# Allegro board 038NC-GRIFFI-V9A_16_20260429.brd (continued)
## Routing (per net, layer and track width the routed paths; a pad name or vN(x,y) marks a point on that pad's centre or on a via; arc(x,y) is an arc through that point) (continued)
VI_634_8-CH58F: length 5.8
  TOP w0.254: v1(153.43,213.78) 149.79,210.14 SITE10.F23
  vias: v1(141.9,146.72)
VI_634_8-CH58S:
  vias: v1(144.44,146.72) v3(149.79,209.12)
VI_635_8-CH59F: length 6.5
  TOP w0.254: v1(154.91,213.78) 150.64,209.51 SITE10.F22
  vias: v1(136.82,146.72)
VI_635_8-CH59S:
  vias: v1(139.36,146.72) v3(150.18,209.12)
VI_636_8-CH60F: length 6.4
  TOP w0.254: SITE10.F21 154.27,208.69 v1(155.35,209.77)
  BOTTOM w0.254: v1(159.64,149.43) UNK10R7.1
  vias: v1(139.36,141.64)
VI_636_8-CH60S:
  vias: v1(136.82,141.64) v3(150.61,208.69)
VI_637_8-CH61F: length 5.9
  TOP w0.254: 146.26,210.48 147.23,209.51 SITE10.F28
  TOP w1.016: 146.26,210.48 v1(144.54,212.21) v1(144.54,213.78)
  vias: v1(154.6,146.72)
VI_637_8-CH61S:
  vias: v1(152.06,146.72) v3(147.79,209.12)
VI_639_8-CH63F: length 4.3
  TOP w0.254: SITE10.F20 v1(155.35,208.29)
  vias: v1(146.98,141.64)
VI_639_8-CH63S:
  vias: v1(149.52,141.64) v3(150.61,208.29)
VI_641_8-CH65F: length 4.6
  TOP w0.254: SITE4.F4 53.25,207.49 v1(52.62,206.86)
  vias: v1(56.98,146.72)
VI_641_8-CH65S:
  vias: v1(59.52,146.72) v3(57.36,207.49)
VI_642_8-CH66F: length 5.8
  TOP w0.254: v1(63.43,213.78) 59.79,210.14 SITE4.F23
  vias: v1(51.9,146.72)
VI_642_8-CH66S:
  vias: v1(54.44,146.72) v3(59.79,209.12)
VI_643_8-CH67F: length 6.5
  TOP w0.254: SITE4.F22 60.64,209.51 v1(64.91,213.78)
  vias: v1(46.82,146.72)
VI_643_8-CH67S:
  vias: v1(49.36,146.72) v3(60.19,209.12)
VI_644_8-CH68F: length 6.4
  TOP w0.254: SITE4.F21 64.27,208.69 v1(65.35,209.77)
  BOTTOM w0.254: v1(69.64,149.43) UNK4R7.1
  vias: v1(49.36,141.64)
VI_644_8-CH68S:
  vias: v1(46.82,141.64) v3(60.61,208.69)
VI_645_8-CH69F: length 5.9
  TOP w0.254: SITE4.F28 57.23,209.51 56.26,210.48
  TOP w1.016: v1(54.54,213.78) v1(54.54,212.21) 56.26,210.48
  vias: v1(64.6,146.72)
VI_645_8-CH69S:
  vias: v1(62.06,146.72) v3(57.79,209.12)
VI_647_8-CH71F: length 4.3
  TOP w0.254: SITE4.F20 v1(65.35,208.29)
  vias: v1(56.98,141.64)
VI_647_8-CH71S:
  vias: v1(59.52,141.64) v3(60.61,208.29)
VI_649_9-CH1F: length 4.6
  TOP w0.254: v1(142.62,266.86) 143.25,267.49 SITE9.F4
  vias: v1(150.99,330.46)
VI_649_9-CH1S:
  vias: v1(148.45,330.46) v3(147.36,267.49)
VI_650_9-CH2F: length 5.8
  TOP w0.254: v1(153.43,273.78) 149.79,270.14 SITE9.F23
  vias: v1(156.07,330.46)
VI_650_9-CH2S:
  vias: v1(153.53,330.46) v3(149.79,269.12)
VI_651_9-CH3F: length 6.5
  TOP w0.254: SITE9.F22 150.64,269.51 v1(154.91,273.78)
VI_651_9-CH3S:
  vias: v1(158.61,330.46) v3(150.18,269.12)
VI_652_9-CH4F: length 6.4
  TOP w0.254: SITE9.F21 154.27,268.69 v1(155.35,269.77)
  BOTTOM w0.254: UNK9R7.1 v1(138.89,325.55)
  vias: v1(158.61,335.54)
VI_652_9-CH4S:
  vias: v3(150.61,268.69)
VI_653_9-CH5F: length 5.9
  TOP w0.254: 146.26,270.48 147.23,269.51 SITE9.F28
  TOP w1.016: v1(144.54,273.78) v1(144.54,272.21) 146.26,270.48
  vias: v1(143.37,330.46)
VI_653_9-CH5S:
  vias: v1(145.91,330.46) v3(147.79,269.12)
VI_655_9-CH7F: length 4.3
  TOP w0.254: SITE9.F20 v1(155.35,268.29)
  vias: v1(150.99,335.54)
VI_655_9-CH7S:
  vias: v1(148.45,335.54) v3(150.61,268.29)
VI_657_9-CH9F: length 4.6
  TOP w0.254: v1(172.62,266.86) 173.25,267.49 SITE11.F4
  vias: v1(180.99,330.46)
VI_657_9-CH9S:
  vias: v1(178.45,330.46) v3(177.36,267.49)
VI_658_9-CH10F: length 5.8
  TOP w0.254: SITE11.F23 179.79,270.14 v1(183.43,273.78)
  vias: v1(186.07,330.46)
VI_658_9-CH10S:
  vias: v1(183.53,330.46) v3(179.79,269.12)
VI_659_9-CH11F: length 6.5
  TOP w0.254: SITE11.F22 180.64,269.51 v1(184.91,273.78)
VI_659_9-CH11S:
  vias: v1(188.61,330.46) v3(180.18,269.12)
VI_660_9-CH12F: length 6.4
  TOP w0.254: v1(185.35,269.77) 184.27,268.69 SITE11.F21
  BOTTOM w0.254: UNK11R7.1 v1(168.89,325.55)
  vias: v1(188.61,335.54)
VI_660_9-CH12S:
  vias: v3(180.61,268.69)
VI_661_9-CH13F: length 5.9
  TOP w0.254: SITE11.F28 177.23,269.51 176.26,270.48
  TOP w1.016: v1(174.54,273.78) v1(174.54,272.21) 176.26,270.48
  vias: v1(173.37,330.46)
VI_661_9-CH13S:
  vias: v1(175.91,330.46) v3(177.79,269.12)
VI_663_9-CH15F: length 4.3
  TOP w0.254: SITE11.F20 v1(185.35,268.29)
  vias: v1(180.99,335.54)
VI_663_9-CH15S:
  vias: v1(178.45,335.54) v3(180.61,268.29)
VI_665_9-CH17F: length 4.6
  TOP w0.254: SITE15.F4 233.25,267.49 v1(232.62,266.86)
  vias: v1(240.99,330.46)
VI_665_9-CH17S:
  vias: v1(238.45,330.46) v3(237.36,267.49)
VI_666_9-CH18F: length 5.8
  TOP w0.254: v1(243.43,273.78) 239.78,270.14 SITE15.F23
  vias: v1(246.07,330.46)
VI_666_9-CH18S:
  vias: v1(243.53,330.46) v3(239.78,269.12)
VI_667_9-CH19F: length 6.5
  TOP w0.254: v1(244.91,273.78) 240.64,269.51 SITE15.F22
VI_667_9-CH19S:
  vias: v1(248.61,330.46) v3(240.18,269.12)
VI_668_9-CH20F: length 6.4
  TOP w0.254: v1(245.35,269.77) 244.27,268.69 SITE15.F21
  BOTTOM w0.254: UNK15R7.1 v1(228.89,325.55)
  vias: v1(248.61,335.54)
VI_668_9-CH20S:
  vias: v3(240.61,268.69)
VI_669_9-CH21F: length 5.9
  TOP w0.254: 236.26,270.48 237.23,269.51 SITE15.F28
  TOP w1.016: 236.26,270.48 v1(234.54,272.21) v1(234.54,273.78)
  vias: v1(233.37,330.46)
VI_669_9-CH21S:
  vias: v1(235.91,330.46) v3(237.78,269.12)
VI_671_9-CH23F: length 4.3
  TOP w0.254: SITE15.F20 v1(245.35,268.29)
  vias: v1(240.99,335.54)
VI_671_9-CH23S:
  vias: v1(238.45,335.54) v3(240.61,268.29)
VI_681_9-CH33F: length 4.6
  TOP w0.254: v1(22.62,266.86) 23.25,267.49 SITE1.F4
  vias: v1(30.99,330.46)
VI_681_9-CH33S:
  vias: v1(28.45,330.46) v3(27.36,267.49)
VI_682_9-CH34F: length 5.8
  TOP w0.254: v1(33.43,273.78) 29.79,270.14 SITE1.F23
  vias: v1(36.07,330.46)
VI_682_9-CH34S:
  vias: v1(33.53,330.46) v3(29.79,269.12)
VI_683_9-CH35F: length 6.5
  TOP w0.254: SITE1.F22 30.64,269.51 v1(34.91,273.78)
VI_683_9-CH35S:
  vias: v1(38.61,330.46) v3(30.19,269.12)
VI_684_9-CH36F: length 6.4
  TOP w0.254: UNK1R7.1 v1(18.89,325.55) ; v1(35.35,269.77) 34.27,268.69 SITE1.F21
  vias: v1(38.61,335.54)
VI_684_9-CH36S:
  vias: v3(30.61,268.69)
VI_685_9-CH37F: length 5.9
  TOP w0.254: SITE1.F28 27.23,269.51 26.26,270.48
  TOP w1.016: v1(24.54,273.78) v1(24.54,272.21) 26.26,270.48
  vias: v1(23.37,330.46)
VI_685_9-CH37S:
  vias: v1(25.91,330.46) v3(27.79,269.12)
VI_687_9-CH39F: length 4.3
  TOP w0.254: SITE1.F20 v1(35.35,268.29)
  vias: v1(30.99,335.54)
VI_687_9-CH39S:
  vias: v1(28.45,335.54) v3(30.61,268.29)
VI_689_9-CH41F: length 4.6
  TOP w0.254: SITE3.F4 53.25,267.49 v1(52.62,266.86)
  vias: v1(60.99,330.46)
VI_689_9-CH41S:
  vias: v1(58.45,330.46) v3(57.36,267.49)
VI_690_9-CH42F: length 5.8
  TOP w0.254: v1(63.43,273.78) 59.79,270.14 SITE3.F23
  vias: v1(66.07,330.46)
VI_690_9-CH42S:
  vias: v1(63.53,330.46) v3(59.79,269.12)
VI_691_9-CH43F: length 6.5
  TOP w0.254: v1(64.91,273.78) 60.64,269.51 SITE3.F22
VI_691_9-CH43S:
  vias: v1(68.61,330.46) v3(60.19,269.12)
VI_692_9-CH44F: length 6.4
  TOP w0.254: v1(65.35,269.77) 64.27,268.69 SITE3.F21 ; UNK3R7.1 v1(48.89,325.55)
  vias: v1(68.61,335.54)
VI_692_9-CH44S:
  vias: v3(60.61,268.69)
VI_693_9-CH45F: length 5.9
  TOP w0.254: SITE3.F28 57.23,269.51 56.26,270.48
  TOP w1.016: 56.26,270.48 v1(54.54,272.21) v1(54.54,273.78)
  vias: v1(53.37,330.46)
VI_693_9-CH45S:
  vias: v1(55.91,330.46) v3(57.79,269.12)
VI_695_9-CH47F: length 4.3
  TOP w0.254: SITE3.F20 v1(65.35,268.29)
  vias: v1(60.99,335.54)
VI_695_9-CH47S:
  vias: v1(58.45,335.54) v3(60.61,268.29)
VI_697_9-CH49F: length 4.6
  TOP w0.254: SITE5.F4 83.25,267.49 v1(82.62,266.86)
  vias: v1(90.99,330.46)
VI_697_9-CH49S:
  vias: v1(88.45,330.46) v3(87.36,267.49)
VI_698_9-CH50F: length 5.8
  TOP w0.254: SITE5.F23 89.79,270.14 v1(93.43,273.78)
  vias: v1(96.07,330.46)
VI_698_9-CH50S:
  vias: v1(93.53,330.46) v3(89.79,269.12)
VI_699_9-CH51F: length 6.5
  TOP w0.254: v1(94.91,273.78) 90.64,269.51 SITE5.F22
VI_699_9-CH51S:
  vias: v1(98.61,330.46) v3(90.18,269.12)
VI_700_9-CH52F: length 6.4
  TOP w0.254: SITE5.F21 94.27,268.69 v1(95.35,269.77)
  BOTTOM w0.254: UNK5R7.1 v1(78.89,325.55)
  vias: v1(98.61,335.54)
VI_700_9-CH52S:
  vias: v3(90.61,268.69)
VI_701_9-CH53F: length 5.9
  TOP w0.254: SITE5.F28 87.23,269.51 86.26,270.48
  TOP w1.016: v1(84.54,273.78) v1(84.54,272.21) 86.26,270.48
  vias: v1(83.37,330.46)
VI_701_9-CH53S:
  vias: v1(85.91,330.46) v3(87.79,269.12)
VI_703_9-CH55F: length 4.3
  TOP w0.254: SITE5.F20 v1(95.35,268.29)
  vias: v1(90.99,335.54)
VI_703_9-CH55S:
  vias: v1(88.45,335.54) v3(90.61,268.29)
VI_705_9-CH57F: length 4.6
  TOP w0.254: SITE7.F4 113.25,267.49 v1(112.62,266.86)
  vias: v1(120.99,330.46)
VI_705_9-CH57S:
  vias: v1(118.45,330.46) v3(117.36,267.49)
VI_706_9-CH58F: length 5.8
  TOP w0.254: v1(123.43,273.78) 119.79,270.14 SITE7.F23
  vias: v1(126.07,330.46)
VI_706_9-CH58S:
  vias: v1(123.53,330.46) v3(119.79,269.12)
VI_707_9-CH59F: length 6.5
  TOP w0.254: SITE7.F22 120.64,269.51 v1(124.91,273.78)
VI_707_9-CH59S:
  vias: v1(128.61,330.46) v3(120.18,269.12)
VI_708_9-CH60F: length 6.4
  TOP w0.254: v1(125.35,269.77) 124.27,268.69 SITE7.F21
  BOTTOM w0.254: UNK7R7.1 v1(108.89,325.55)
  vias: v1(128.61,335.54)
VI_708_9-CH60S:
  vias: v3(120.61,268.69)
VI_709_9-CH61F: length 5.9
  TOP w0.254: 116.26,270.48 117.23,269.51 SITE7.F28
  TOP w1.016: v1(114.54,273.78) v1(114.54,272.21) 116.26,270.48
  vias: v1(113.37,330.46)
VI_709_9-CH61S:
  vias: v1(115.91,330.46) v3(117.79,269.12)
VI_711_9-CH63F: length 4.3
  TOP w0.254: SITE7.F20 v1(125.35,268.29)
  vias: v1(120.99,335.54)
VI_711_9-CH63S:
  vias: v1(118.45,335.54) v3(120.61,268.29)
VI_713_9-CH65F: length 4.6
  TOP w0.254: v1(202.62,266.86) 203.25,267.49 SITE13.F4
  vias: v1(210.99,330.46)
VI_713_9-CH65S:
  vias: v1(208.45,330.46) v3(207.36,267.49)
VI_714_9-CH66F: length 5.8
  TOP w0.254: SITE13.F23 209.78,270.14 v1(213.43,273.78)
  vias: v1(216.07,330.46)
VI_714_9-CH66S:
  vias: v1(213.53,330.46) v3(209.78,269.12)
VI_715_9-CH67F: length 6.5
  TOP w0.254: v1(214.91,273.78) 210.64,269.51 SITE13.F22
VI_715_9-CH67S:
  vias: v1(218.61,330.46) v3(210.18,269.12)
VI_716_9-CH68F: length 6.4
  TOP w0.254: v1(215.35,269.77) 214.27,268.69 SITE13.F21
  BOTTOM w0.254: UNK13R7.1 UNK13R8.1
  vias: v1(218.61,335.54)
VI_716_9-CH68S:
  vias: v3(210.61,268.69)
VI_717_9-CH69F: length 5.9
  TOP w0.254: SITE13.F28 207.23,269.51 206.26,270.48
  TOP w1.016: 206.26,270.48 v1(204.54,272.21) v1(204.54,273.78)
  vias: v1(203.37,330.46)
VI_717_9-CH69S:
  vias: v1(205.91,330.46) v3(207.78,269.12)
VI_719_9-CH71F: length 4.3
  TOP w0.254: SITE13.F20 v1(215.35,268.29)
  vias: v1(210.99,335.54)
VI_719_9-CH71S:
  vias: v1(208.45,335.54) v3(210.61,268.29)
VOUT_ADJ1-2: length 38.1
  BOTTOM w0.152: v1(162.85,118.34) U46.4 171.81,111.18 ; 171.81,111.18 172.39,111.76 181.76,111.76 182.25,111.28 U47.3 C100.1 ; 171.81,111.18 U46.2 171.81,107.69 R376.1
N05392: length 2.2
  BOTTOM w0.152: UNK2R41.1 UNK2K7.4
N05396: length 2.1
  BOTTOM w0.152: UNK2R3.1 UNK2K6.4
N05400: length 2.1
  BOTTOM w0.152: UNK2R2.1 UNK2K5.4
N05404: length 1.2
  BOTTOM w0.152: UNK2R41.2 UNK2R42.1
N05614: length 13.9
  BOTTOM w0.152: UNK2C5.1 19.51,192.05 18.14,190.68 18.14,183 UNK2K8.5
N05638: length 6.1
  BOTTOM w0.152: UNK2K2.4 28.8,181.33 UNK2C3.1
N05774: length 15.2
  BOTTOM w0.152: UNK2K8.4 21.95,183.61 21.95,189.31 23.27,190.63 25.71,190.63 UNK2C4.2
N05938: length 6.2
  TOP w0.152: SITE2.S24 29.39,210.74 30.47,211.82 v1(30.47,213.78)
  BOTTOM w0.152: UNK2RS4.2 v1(30.47,213.78)
N10483: length 2.2
  BOTTOM w0.152: UNK3R41.1 UNK3K7.4
N10487: length 2.1
  BOTTOM w0.152: UNK3R3.1 UNK3K6.4
N10491: length 2.1
  BOTTOM w0.152: UNK3R2.1 UNK3K5.4
N10495: length 1.2
  BOTTOM w0.152: UNK3R41.2 UNK3R42.1
N10705: length 3.1
  BOTTOM w0.152: UNK3C5.1 UNK3K8.5
N10729: length 2.8
  BOTTOM w0.152: UNK3C3.1 UNK3K2.4
N10865: length 3.1
  BOTTOM w0.152: UNK3C4.2 UNK3K8.4
N11029: length 6.2
  TOP w0.152: SITE3.S24 59.39,270.74 60.47,271.82 v1(60.47,273.78)
  BOTTOM w0.152: UNK3RS4.2 v1(60.47,273.78)
N15574: length 2.2
  BOTTOM w0.152: UNK4R41.1 UNK4K7.4
N15578: length 2.1
  BOTTOM w0.152: UNK4R3.1 UNK4K6.4
N15582: length 2.1
  BOTTOM w0.152: UNK4R2.1 UNK4K5.4
N15586: length 1.2
  BOTTOM w0.152: UNK4R41.2 UNK4R42.1
N15796: length 13.9
  BOTTOM w0.152: UNK4C5.1 49.51,192.05 48.14,190.68 48.14,183 UNK4K8.5
N15820: length 6.1
  BOTTOM w0.152: UNK4K2.4 58.8,181.33 UNK4C3.1
N15956: length 15.2
  BOTTOM w0.152: UNK4C4.2 55.71,190.63 53.27,190.63 51.95,189.31 51.95,183.61 UNK4K8.4
N16120: length 6.2
  TOP w0.152: v1(60.47,213.78) 60.47,211.82 59.39,210.74 SITE4.S24
  BOTTOM w0.152: UNK4RS4.2 v1(60.47,213.78)
N20665: length 2.2
  BOTTOM w0.152: UNK5R41.1 UNK5K7.4
N20669: length 2.1
  BOTTOM w0.152: UNK5R3.1 UNK5K6.4
N20673: length 2.1
  BOTTOM w0.152: UNK5R2.1 UNK5K5.4
N20677: length 1.2
  BOTTOM w0.152: UNK5R41.2 UNK5R42.1
N20887: length 3.1
  BOTTOM w0.152: UNK5C5.1 UNK5K8.5
N20911: length 2.8
  BOTTOM w0.152: UNK5C3.1 UNK5K2.4
N21047: length 3.1
  BOTTOM w0.152: UNK5C4.2 UNK5K8.4
N21211: length 6.2
  TOP w0.152: v1(90.47,273.78) 90.47,271.82 89.39,270.74 SITE5.S24
  BOTTOM w0.152: UNK5RS4.2 v1(90.47,273.78)
N25756: length 2.2
  BOTTOM w0.152: UNK6R41.1 UNK6K7.4
N25760: length 2.1
  BOTTOM w0.152: UNK6R3.1 UNK6K6.4
N25764: length 2.1
  BOTTOM w0.152: UNK6R2.1 UNK6K5.4
N25768: length 1.2
  BOTTOM w0.152: UNK6R41.2 UNK6R42.1
N25978: length 13.9
  BOTTOM w0.152: UNK6K8.5 78.14,183 78.14,190.68 79.51,192.05 UNK6C5.1
N26002: length 6.1
  BOTTOM w0.152: UNK6K2.4 88.8,181.33 UNK6C3.1
N26138: length 15.2
  BOTTOM w0.152: UNK6K8.4 81.95,183.61 81.95,189.31 83.27,190.63 85.71,190.63 UNK6C4.2
N26302: length 6.2
  TOP w0.152: v1(90.47,213.78) 90.47,211.82 89.39,210.74 SITE6.S24
  BOTTOM w0.152: UNK6RS4.2 v1(90.47,213.78)
N30847: length 2.2
  BOTTOM w0.152: UNK7R41.1 UNK7K7.4
N30851: length 2.1
  BOTTOM w0.152: UNK7R3.1 UNK7K6.4
N30855: length 2.1
  BOTTOM w0.152: UNK7R2.1 UNK7K5.4
N30859: length 1.2
  BOTTOM w0.152: UNK7R41.2 UNK7R42.1
N31069: length 3.1
  BOTTOM w0.152: UNK7C5.1 UNK7K8.5
N31093: length 2.8
  BOTTOM w0.152: UNK7C3.1 UNK7K2.4
N31229: length 3.1
  BOTTOM w0.152: UNK7C4.2 UNK7K8.4
N31393: length 6.2
  TOP w0.152: v1(120.47,273.78) 120.47,271.82 119.39,270.74 SITE7.S24
  BOTTOM w0.152: UNK7RS4.2 v1(120.47,273.78)
N35938: length 2.2
  BOTTOM w0.152: UNK8R41.1 UNK8K7.4
N35942: length 2.1
  BOTTOM w0.152: UNK8R3.1 UNK8K6.4
N35946: length 2.1
  BOTTOM w0.152: UNK8R2.1 UNK8K5.4
N35950: length 1.2
  BOTTOM w0.152: UNK8R41.2 UNK8R42.1
N36160: length 13.9
  BOTTOM w0.152: UNK8K8.5 108.14,183 108.14,190.68 109.51,192.05 UNK8C5.1
N36184: length 6.1
  BOTTOM w0.152: UNK8K2.4 118.8,181.33 UNK8C3.1
N36320: length 15.2
  BOTTOM w0.152: UNK8K8.4 111.95,183.61 111.95,189.31 113.27,190.63 115.71,190.63 UNK8C4.2
N36484: length 6.2
  TOP w0.152: SITE8.S24 119.39,210.74 120.47,211.82 v1(120.47,213.78)
  BOTTOM w0.152: UNK8RS4.2 v1(120.47,213.78)
N41029: length 2.2
  BOTTOM w0.152: UNK9R41.1 UNK9K7.4
N41033: length 2.1
  BOTTOM w0.152: UNK9R3.1 UNK9K6.4
N41037: length 2.1
  BOTTOM w0.152: UNK9R2.1 UNK9K5.4
N41041: length 1.2
  BOTTOM w0.152: UNK9R41.2 UNK9R42.1
N41251: length 3.1
  BOTTOM w0.152: UNK9C5.1 UNK9K8.5
N41275: length 2.8
  BOTTOM w0.152: UNK9C3.1 UNK9K2.4
N41411: length 3.1
  BOTTOM w0.152: UNK9C4.2 UNK9K8.4
N41575: length 6.2
  TOP w0.152: v1(150.47,273.78) 150.47,271.82 149.39,270.74 SITE9.S24
  BOTTOM w0.152: UNK9RS4.2 v1(150.47,273.78)
N46120: length 2.2
  BOTTOM w0.152: UNK10R41.1 UNK10K7.4
N46124: length 2.1
  BOTTOM w0.152: UNK10R3.1 UNK10K6.4
N46128: length 2.1
  BOTTOM w0.152: UNK10R2.1 UNK10K5.4
N46132: length 1.2
  BOTTOM w0.152: UNK10R41.2 UNK10R42.1
N46342: length 13.9
  BOTTOM w0.152: UNK10C5.1 139.51,192.05 138.14,190.68 138.14,183 UNK10K8.5
N46366: length 6.1
  BOTTOM w0.152: UNK10C3.1 148.8,181.33 UNK10K2.4
N46502: length 15.2
  BOTTOM w0.152: UNK10C4.2 145.71,190.63 143.27,190.63 141.95,189.31 141.95,183.61 UNK10K8.4
N46666: length 6.2
  TOP w0.152: v1(150.47,213.78) 150.47,211.82 149.39,210.74 SITE10.S24
  BOTTOM w0.152: UNK10RS4.2 v1(150.47,213.78)
N51211: length 2.2
  BOTTOM w0.152: UNK11R41.1 UNK11K7.4
N51215: length 2.1
  BOTTOM w0.152: UNK11R3.1 UNK11K6.4
N51219: length 2.1
  BOTTOM w0.152: UNK11R2.1 UNK11K5.4
N51223: length 1.2
  BOTTOM w0.152: UNK11R41.2 UNK11R42.1
N51433: length 3.1
  BOTTOM w0.152: UNK11C5.1 UNK11K8.5
N51457: length 2.8
  BOTTOM w0.152: UNK11C3.1 UNK11K2.4
N51593: length 3.1
  BOTTOM w0.152: UNK11C4.2 UNK11K8.4
N51757: length 6.2
  TOP w0.152: SITE11.S24 179.38,270.74 180.47,271.82 v1(180.47,273.78)
  BOTTOM w0.152: UNK11RS4.2 v1(180.47,273.78)
N56302: length 2.2
  BOTTOM w0.152: UNK12R41.1 UNK12K7.4
N56306: length 2.1
  BOTTOM w0.152: UNK12R3.1 UNK12K6.4
N56310: length 2.1
  BOTTOM w0.152: UNK12R2.1 UNK12K5.4
N56314: length 1.2
  BOTTOM w0.152: UNK12R41.2 UNK12R42.1
N56524: length 13.9
  BOTTOM w0.152: UNK12C5.1 169.51,192.05 168.14,190.68 168.14,183 UNK12K8.5
N56548: length 6.1
  BOTTOM w0.152: UNK12K2.4 178.8,181.33 UNK12C3.1
N56684: length 15.2
  BOTTOM w0.152: UNK12C4.2 175.71,190.63 173.27,190.63 171.95,189.31 171.95,183.61 UNK12K8.4
N56848: length 6.2
  TOP w0.152: SITE12.S24 179.38,210.74 180.47,211.82 v1(180.47,213.78)
  BOTTOM w0.152: UNK12RS4.2 v1(180.47,213.78)
N61393: length 2.2
  BOTTOM w0.152: UNK13R41.1 UNK13K7.4
N61397: length 2.1
  BOTTOM w0.152: UNK13R3.1 UNK13K6.4
N61401: length 2.1
  BOTTOM w0.152: UNK13R2.1 UNK13K5.4
N61405: length 1.2
  BOTTOM w0.152: UNK13R41.2 UNK13R42.1
N61615: length 3.1
  BOTTOM w0.152: UNK13C5.1 UNK13K8.5
N61639: length 2.8
  BOTTOM w0.152: UNK13C3.1 UNK13K2.4
N61775: length 3.1
  BOTTOM w0.152: UNK13C4.2 UNK13K8.4
N61939: length 6.2
  TOP w0.152: v1(210.47,273.78) 210.47,271.82 209.38,270.74 SITE13.S24
  BOTTOM w0.152: UNK13RS4.2 v1(210.47,273.78)
N66484: length 2.2
  BOTTOM w0.152: UNK14R41.1 UNK14K7.4
N66488: length 2.1
  BOTTOM w0.152: UNK14R3.1 UNK14K6.4
N66492: length 2.1
  BOTTOM w0.152: UNK14R2.1 UNK14K5.4
N66496: length 1.2
  BOTTOM w0.152: UNK14R41.2 UNK14R42.1
N66706: length 13.9
  BOTTOM w0.152: UNK14C5.1 199.51,192.05 198.14,190.68 198.14,183 UNK14K8.5
N66730: length 6.1
  BOTTOM w0.152: UNK14C3.1 208.8,181.33 UNK14K2.4
N66866: length 15.2
  BOTTOM w0.152: UNK14C4.2 205.71,190.63 203.27,190.63 201.95,189.31 201.95,183.61 UNK14K8.4
N67030: length 6.2
  TOP w0.152: v1(210.47,213.78) 210.47,211.82 209.38,210.74 SITE14.S24
  BOTTOM w0.152: UNK14RS4.2 v1(210.47,213.78)
N71575: length 2.2
  BOTTOM w0.152: UNK15R41.1 UNK15K7.4
N71579: length 2.1
  BOTTOM w0.152: UNK15R3.1 UNK15K6.4
N71583: length 2.1
  BOTTOM w0.152: UNK15R2.1 UNK15K5.4
N71587: length 1.2
  BOTTOM w0.152: UNK15R41.2 UNK15R42.1
N71797: length 3.1
  BOTTOM w0.152: UNK15C5.1 UNK15K8.5
N71821: length 2.8
  BOTTOM w0.152: UNK15C3.1 UNK15K2.4
N71957: length 3.1
  BOTTOM w0.152: UNK15C4.2 UNK15K8.4
N72121: length 6.2
  TOP w0.152: SITE15.S24 239.38,270.74 240.47,271.82 v1(240.47,273.78)
  BOTTOM w0.152: UNK15RS4.2 v1(240.47,273.78)
N76666: length 2.2
  BOTTOM w0.152: UNK16R41.1 UNK16K7.4
N76670: length 2.1
  BOTTOM w0.152: UNK16R3.1 UNK16K6.4
N76674: length 2.1
  BOTTOM w0.152: UNK16R2.1 UNK16K5.4
N76678: length 1.2
  BOTTOM w0.152: UNK16R41.2 UNK16R42.1
N76888: length 13.9
  BOTTOM w0.152: UNK16C5.1 229.51,192.05 228.14,190.68 228.14,183 UNK16K8.5
N76912: length 6.1
  BOTTOM w0.152: UNK16C3.1 238.8,181.33 UNK16K2.4
N77048: length 15.2
  BOTTOM w0.152: UNK16K8.4 231.95,183.61 231.95,189.31 233.27,190.63 235.71,190.63 UNK16C4.2
N77212: length 6.2
  TOP w0.152: SITE16.S24 239.38,210.74 240.47,211.82 v1(240.47,213.78)
  BOTTOM w0.152: UNK16RS4.2 v1(240.47,213.78)
N19416570: length 2.2
  BOTTOM w0.152: UNK1R41.1 UNK1K7.4
N19416573: length 2.1
  BOTTOM w0.152: UNK1K6.4 UNK1R3.1
N19416576: length 2.1
  BOTTOM w0.152: UNK1R2.1 UNK1K5.4
N19416583: length 1.2
  BOTTOM w0.152: UNK1R42.1 UNK1R41.2
N19419031: length 3.1
  BOTTOM w0.152: UNK1C5.1 UNK1K8.5
N19465903: length 2.8
  BOTTOM w0.152: UNK1C3.1 UNK1K2.4
N19474263: length 3.1
  BOTTOM w0.152: UNK1C4.2 UNK1K8.4
N19657625: length 6.2
  TOP w0.152: SITE1.S24 29.39,270.74 30.47,271.82 v1(30.47,273.78)
  BOTTOM w0.152: UNK1RS4.2 v1(30.47,273.78)
N22962297:
  vias: v1(17.15,125.1)
N22962300:
  vias: v1(71.76,110.88)
N22962303:
  vias: v1(82.68,109.35)
N22962306:
  vias: v1(27.31,125.1)

## Text on the board
User.40: FIGURE | SIZE | 12.1 | 22.0 | 41.0 | 148.0 | 276.0 | 60.24 | 122.0 | 126.0 | 134.0 | 169.0 | 184.0 | 312.0 | 438.0 | 98.0x87.0 | 180.0x122.0 | DRILL CHART: TOP to BOTTOM | ALL UNITS ARE IN MILS | TOLERANCE | +2.0/-2.0 | +3.0/-1.0 | +3.0/-0.0 | +1.57/-0.0 | +1.0/-2.0 | +3.0/-3.0 | +4.0/-4.0 | PLATED | NON-PLATED | QTY | 128 | 4436 | 1672 | 64 | 4 | 32 | 1 | 20 | 24 | 3
